# Altium PCB mother_board.PcbDoc (part 5 of 5)
Units mil, origin at the board's own origin, x right, y up, seen from the top; angles counter-clockwise.
Board outline 5337.7 x 2972.67 mil, 2 copper layers (Top Layer, Bottom Layer); 94 components, 123 nets, 375 pads, 276 vias.
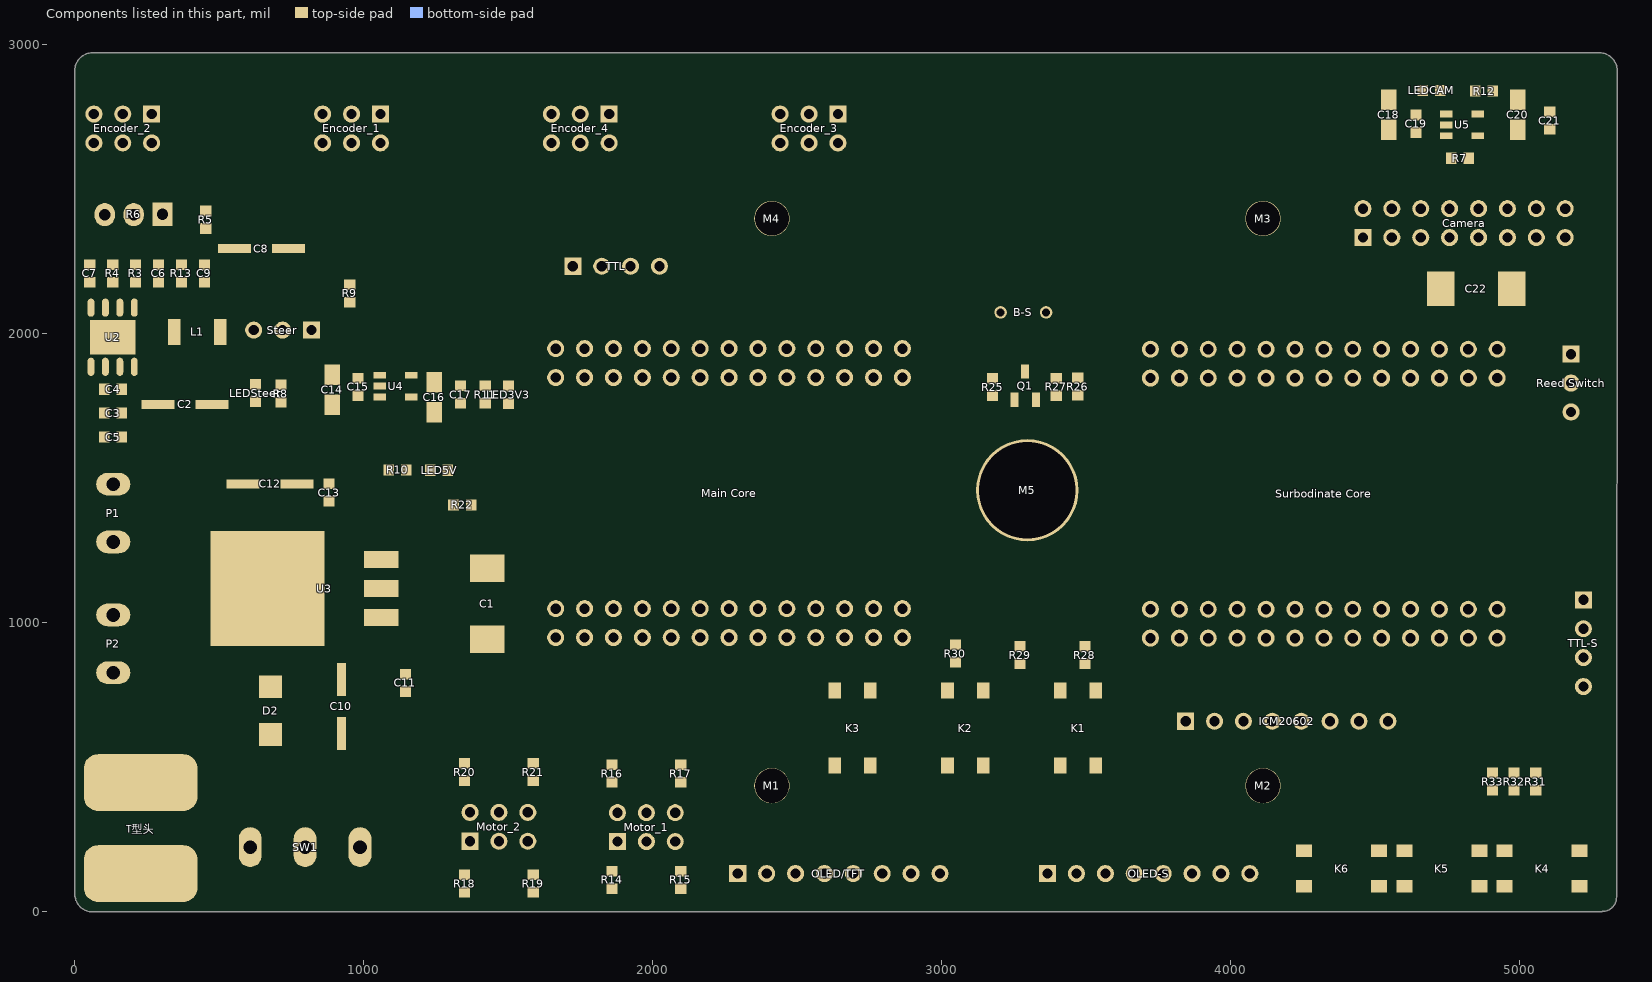
[diagram p5: the components of this part, seen from the top]

## Via types
v1: diameter 22, hole 12, Top Layer to Bottom Layer, tented both sides, 274 vias
v2: diameter 22, hole 12, Top Layer to Bottom Layer, 2 vias

## Nets (pads, with @x,y where several pads share a name; then routed paths per layer and width w, separated by ;. In a path a pad name is that pad's centre, name@x,y a point inside that pad or via, vN(x,y) a via of type N, cw(c..) or ccw(c..) an arc to the next point about the centre after c; other vN are vias at no path point) (continued)
copper on no net: (continued)
  Top Layer w1.05: 3888.5,2412.3 3901.1,2412.3 ; 3888.5,2413.35 3900.05,2413.35 ; 3888.5,2551.95 3894.8,2551.95 ; 3888.5,2603.4 3897.95,2603.4 ; 3888.5,2604.45 3896.9,2604.45 ; 3889.55,2410.2 3903.2,2410.2 ; 3889.55,2411.25 3902.15,2411.25 ; 3889.55,2553 3895.85,2553 ; 3889.55,2576.1 3896.9,2576.1 ; 3889.55,2605.5 3895.85,2605.5 ; 3890.6,2408.1 3905.3,2408.1 ; 3890.6,2409.15 3904.25,2409.15 ; 3890.6,2554.05 3896.9,2554.05 ; 3890.6,2606.55 3894.8,2606.55 ; 3891.65,2406 3907.4,2406 ; 3891.65,2407.05 3906.35,2407.05 ; 3891.65,2555.1 3897.95,2555.1 ; 3891.65,2607.6 3892.7,2607.6 ; 3892.7,2404.95 3909.5,2404.95 ; 3892.7,2556.15 3899,2556.15 ; 3892.7,2577.15 3897.95,2577.15 ; 3893.75,2402.85 3906.35,2402.85 ; 3893.75,2403.9 3910.55,2403.9 ; 3893.75,2557.2 3900.05,2557.2 ; 3893.75,2558.25 3901.1,2558.25 ; 3894.8,2401.8 3903.2,2401.8 ; 3894.8,2559.3 3901.1,2559.3 ; 3895.85,2400.75 3901.1,2400.75 ; 3895.85,2560.35 3902.15,2560.35 ; 3895.85,2561.4 3903.2,2561.4 ; 3896.9,2399.7 3900.05,2399.7 ; 3896.9,2562.45 3903.2,2562.45 ; 3896.9,2563.5 3904.25,2563.5 ; 3896.9,2578.2 3897.95,2578.2 ; 3897.95,2398.65 3899,2398.65 ; 3897.95,2564.55 3904.25,2564.55 ; 3897.95,2565.6 3905.3,2565.6 ; 3897.95,2566.65 3905.3,2566.65 ; 3899,2567.7 3906.35,2567.7 ; 3899,2568.75 3906.35,2568.75 ; 3899,2569.8 3906.35,2569.8 ; 3900.05,2570.85 3906.35,2570.85 ; 3900.05,2571.9 3907.4,2571.9 ; 3900.05,2572.95 3907.4,2572.95 ; 3900.05,2574 3907.4,2574 ; 3900.05,2575.05 3907.4,2575.05 ; 3900.05,2576.1 3907.4,2576.1 ; 3901.1,2577.15 3907.4,2577.15 ; 3901.1,2578.2 3907.4,2578.2 ; 3901.1,2579.25 3907.4,2579.25 ; 3901.1,2580.3 3908.45,2580.3 ; 3901.1,2581.35 3908.45,2581.35 ; 3901.1,2582.4 3908.45,2582.4 ; 3901.1,2583.45 3908.45,2583.45 ; 3901.1,2584.5 3908.45,2584.5 ; 3901.1,2585.55 3908.45,2585.55 ; 3901.1,2586.6 3908.45,2586.6 ; 3901.1,2587.65 3908.45,2587.65 ; 3901.1,2588.7 3908.45,2588.7 ; 3901.1,2589.75 3908.45,2589.75 ; 3901.1,2590.8 3908.45,2590.8 ; 3901.1,2591.85 3908.45,2591.85 ; 3901.1,2592.9 3908.45,2592.9 ; 3901.1,2593.95 3908.45,2593.95 ; 3901.1,2595 3908.45,2595 ; 3901.1,2596.05 3908.45,2596.05 ; 3901.1,2597.1 3908.45,2597.1 ; 3901.1,2612.85 3909.5,2612.85 ; 3901.1,2613.9 3909.5,2613.9 ; 3901.1,2614.95 3909.5,2614.95 ; 3901.1,2616 3909.5,2616 ; 3901.1,2617.05 3909.5,2617.05 ; 3901.1,2618.1 3909.5,2618.1 ; 3901.1,2619.15 3909.5,2619.15 ; 3901.1,2620.2 3909.5,2620.2 ; 3901.1,2621.25 3909.5,2621.25 ; 3901.1,2622.3 3909.5,2622.3 ; 3901.1,2623.35 3909.5,2623.35 ; 3901.1,2624.4 3909.5,2624.4 ; 3901.1,2625.45 3910.55,2625.45 ; 3901.1,2626.5 3911.6,2626.5 ; 3901.1,2627.55 3911.6,2627.55 ; 3901.1,2628.6 3910.55,2628.6 ; 3901.1,2629.65 3907.4,2629.65 ; 3901.1,2630.7 3903.2,2630.7 ; 3902.15,2598.15 3908.45,2598.15 ; 3902.15,2599.2 3908.45,2599.2 ; 3902.15,2600.25 3908.45,2600.25 ; 3902.15,2601.3 3908.45,2601.3 ; 3902.15,2602.35 3908.45,2602.35 ; 3902.15,2603.4 3909.5,2603.4 ; 3902.15,2604.45 3909.5,2604.45 ; 3902.15,2605.5 3909.5,2605.5 ; 3902.15,2606.55 3909.5,2606.55 ; 3902.15,2607.6 3909.5,2607.6 ; 3902.15,2608.65 3909.5,2608.65 ; 3902.15,2609.7 3909.5,2609.7 ; 3902.15,2610.75 3909.5,2610.75 ; 3902.15,2611.8 3909.5,2611.8 ; 3917.9,2559.3 3921.05,2559.3 ; 3917.9,2560.35 3923.15,2560.35 ; 3917.9,2561.4 3925.25,2561.4 ; 3917.9,2562.45 3925.25,2562.45 ; 3917.9,2563.5 3925.25,2563.5 ; 3917.9,2564.55 3925.25,2564.55 ; 3917.9,2565.6 3925.25,2565.6 ; 3917.9,2566.65 3925.25,2566.65 ; 3917.9,2567.7 3925.25,2567.7 ; 3917.9,2568.75 3925.25,2568.75 ; 3917.9,2569.8 3925.25,2569.8 ; 3917.9,2570.85 3925.25,2570.85 ; 3917.9,2571.9 3925.25,2571.9 ; 3917.9,2572.95 3925.25,2572.95 ; 3917.9,2574 3925.25,2574 ; 3917.9,2575.05 3925.25,2575.05 ; 3917.9,2576.1 3925.25,2576.1 ; 3917.9,2577.15 3925.25,2577.15 ; 3917.9,2578.2 3925.25,2578.2 ; 3917.9,2579.25 3925.25,2579.25 ; 3917.9,2580.3 3925.25,2580.3 ; 3917.9,2581.35 3925.25,2581.35 ; 3917.9,2582.4 3925.25,2582.4 ; 3917.9,2583.45 3925.25,2583.45 ; 3917.9,2584.5 3925.25,2584.5 ; 3917.9,2585.55 3925.25,2585.55 ; 3917.9,2586.6 3925.25,2586.6 ; 3917.9,2587.65 3925.25,2587.65 ; 3917.9,2588.7 3925.25,2588.7 ; 3917.9,2589.75 3925.25,2589.75 ; 3917.9,2590.8 3925.25,2590.8 ; 3917.9,2591.85 3925.25,2591.85 ; 3917.9,2592.9 3925.25,2592.9 ; 3917.9,2593.95 3925.25,2593.95 ; 3917.9,2595 3925.25,2595 ; 3917.9,2596.05 3925.25,2596.05 ; 3917.9,2597.1 3925.25,2597.1 ; 3917.9,2598.15 3925.25,2598.15 ; 3917.9,2599.2 3925.25,2599.2 ; 3917.9,2600.25 3925.25,2600.25 ; 3917.9,2601.3 3925.25,2601.3 ; 3917.9,2602.35 3925.25,2602.35 ; 3917.9,2603.4 3925.25,2603.4 ; 3917.9,2604.45 3925.25,2604.45 ; 3917.9,2605.5 3925.25,2605.5 ; 3917.9,2606.55 3925.25,2606.55 ; 3917.9,2607.6 3925.25,2607.6 ; 3917.9,2608.65 3925.25,2608.65 ; 3917.9,2609.7 3925.25,2609.7 ; 3917.9,2610.75 3925.25,2610.75 ; 3917.9,2611.8 3925.25,2611.8 ; 3917.9,2612.85 3925.25,2612.85 ; 3917.9,2613.9 3925.25,2613.9 ; 3917.9,2614.95 3925.25,2614.95 ; 3917.9,2616 3925.25,2616 ; 3917.9,2617.05 3926.3,2617.05 ; 3917.9,2618.1 3927.35,2618.1 ; 3917.9,2619.15 3927.35,2619.15 ; 3917.9,2620.2 3925.25,2620.2 ; 3917.9,2621.25 3923.15,2621.25 ; 3917.9,2622.3 3918.95,2622.3 ; 3934.7,2628.6 3945.2,2628.6 ; 3934.7,2629.65 3943.1,2629.65 ; 3934.7,2630.7 3939.95,2630.7 ; 3934.7,2631.75 3936.8,2631.75 ; 3935.75,2544.6 3938.9,2544.6 ; 3935.75,2545.65 3941,2545.65 ; 3935.75,2546.7 3943.1,2546.7 ; 3935.75,2547.75 3943.1,2547.75 ; 3935.75,2548.8 3943.1,2548.8 ; 3935.75,2549.85 3943.1,2549.85 ; 3935.75,2550.9 3943.1,2550.9 ; 3935.75,2551.95 3943.1,2551.95 ; 3935.75,2553 3943.1,2553 ; 3935.75,2554.05 3943.1,2554.05 ; 3935.75,2555.1 3943.1,2555.1 ; 3935.75,2556.15 3943.1,2556.15 ; 3935.75,2557.2 3943.1,2557.2 ; 3935.75,2558.25 3943.1,2558.25 ; 3935.75,2559.3 3943.1,2559.3 ; 3935.75,2560.35 3943.1,2560.35 ; 3935.75,2561.4 3943.1,2561.4 ; 3935.75,2562.45 3943.1,2562.45 ; 3935.75,2563.5 3943.1,2563.5 ; 3935.75,2564.55 3943.1,2564.55 ; 3935.75,2565.6 3943.1,2565.6 ; 3935.75,2566.65 3943.1,2566.65 ; 3935.75,2567.7 3943.1,2567.7 ; 3935.75,2568.75 3943.1,2568.75 ; 3935.75,2569.8 3943.1,2569.8 ; 3935.75,2570.85 3943.1,2570.85 ; 3935.75,2571.9 3943.1,2571.9 ; 3935.75,2572.95 3943.1,2572.95 ; 3935.75,2574 3943.1,2574 ; 3935.75,2575.05 3943.1,2575.05 ; 3935.75,2576.1 3943.1,2576.1 ; 3935.75,2577.15 3943.1,2577.15 ; 3935.75,2578.2 3943.1,2578.2 ; 3935.75,2579.25 3943.1,2579.25 ; 3935.75,2580.3 3943.1,2580.3 ; 3935.75,2581.35 3943.1,2581.35 ; 3935.75,2582.4 3943.1,2582.4 ; 3935.75,2583.45 3943.1,2583.45 ; 3935.75,2584.5 3943.1,2584.5 ; 3935.75,2585.55 3943.1,2585.55 ; 3935.75,2586.6 3943.1,2586.6 ; 3935.75,2587.65 3943.1,2587.65 ; 3935.75,2588.7 3943.1,2588.7 ; 3935.75,2589.75 3943.1,2589.75 ; 3935.75,2590.8 3943.1,2590.8 ; 3935.75,2591.85 3943.1,2591.85 ; 3935.75,2592.9 3943.1,2592.9 ; 3935.75,2593.95 3943.1,2593.95 ; 3935.75,2595 3943.1,2595 ; 3935.75,2596.05 3943.1,2596.05 ; 3935.75,2597.1 3943.1,2597.1 ; 3935.75,2598.15 3943.1,2598.15 ; 3935.75,2599.2 3943.1,2599.2 ; 3935.75,2600.25 3943.1,2600.25 ; 3935.75,2601.3 3943.1,2601.3 ; 3935.75,2602.35 3943.1,2602.35 ; 3935.75,2603.4 3943.1,2603.4 ; 3935.75,2604.45 3943.1,2604.45 ; 3935.75,2605.5 3943.1,2605.5 ; 3935.75,2606.55 3943.1,2606.55 ; 3935.75,2607.6 3943.1,2607.6 ; 3935.75,2608.65 3943.1,2608.65 ; 3935.75,2609.7 3943.1,2609.7 ; 3935.75,2610.75 3943.1,2610.75 ; 3935.75,2611.8 3943.1,2611.8 ; 3935.75,2612.85 3943.1,2612.85 ; 3935.75,2613.9 3943.1,2613.9 ; 3935.75,2614.95 3943.1,2614.95 ; 3935.75,2616 3943.1,2616 ; 3935.75,2617.05 3943.1,2617.05 ; 3935.75,2618.1 3943.1,2618.1 ; 3935.75,2619.15 3943.1,2619.15 ; 3935.75,2620.2 3943.1,2620.2 ; 3935.75,2621.25 3943.1,2621.25 ; 3935.75,2622.3 3943.1,2622.3 ; 3935.75,2623.35 3943.1,2623.35 ; 3935.75,2624.4 3943.1,2624.4 ; 3935.75,2625.45 3944.15,2625.45 ; 3935.75,2626.5 3945.2,2626.5 ; 3935.75,2627.55 3946.25,2627.55 ; 3962,2545.65 3966.2,2545.65 ; 3962,2546.7 3967.25,2546.7 ; 3962,2627.55 3967.25,2627.55 ; 3962,2628.6 3966.2,2628.6 ; 3963.05,2547.75 3968.3,2547.75 ; 3963.05,2548.8 3969.35,2548.8 ; 3963.05,2626.5 3968.3,2626.5 ; 3963.05,2629.65 3965.15,2629.65 ; 3964.1,2549.85 3970.4,2549.85 ; 3964.1,2625.45 3969.35,2625.45 ; 3965.15,2550.9 3971.45,2550.9 ; 3965.15,2623.35 3971.45,2623.35 ; 3965.15,2624.4 3970.4,2624.4 ; 3966.2,2551.95 3972.5,2551.95 ; 3966.2,2553 3973.55,2553 ; 3966.2,2622.3 3972.5,2622.3 ; 3967.25,2554.05 3973.55,2554.05 ; 3967.25,2555.1 3974.6,2555.1 ; 3967.25,2620.2 3973.55,2620.2 ; 3967.25,2621.25 3973.55,2621.25 ; 3968.3,2556.15 3975.65,2556.15 ; 3968.3,2619.15 3974.6,2619.15 ; 3969.35,2557.2 3976.7,2557.2 ; 3969.35,2558.25 3976.7,2558.25 ; 3969.35,2617.05 3976.7,2617.05 ; 3969.35,2618.1 3975.65,2618.1 ; 3970.4,2559.3 3977.75,2559.3 ; 3970.4,2560.35 3978.8,2560.35 ; 3970.4,2614.95 3977.75,2614.95 ; 3970.4,2616 3976.7,2616 ; 3971.45,2561.4 3978.8,2561.4 ; 3971.45,2562.45 3979.85,2562.45 ; 3971.45,2563.5 3979.85,2563.5 ; 3971.45,2611.8 3979.85,2611.8 ; 3971.45,2612.85 3978.8,2612.85 ; 3971.45,2613.9 3977.75,2613.9 ; 3972.5,2564.55 3980.9,2564.55 ; 3972.5,2565.6 3980.9,2565.6 ; 3972.5,2609.7 3980.9,2609.7 ; 3972.5,2610.75 3979.85,2610.75 ; 3973.55,2566.65 3981.95,2566.65 ; 3973.55,2567.7 3981.95,2567.7 ; 3973.55,2568.75 3981.95,2568.75 ; 3973.55,2606.55 3981.95,2606.55 ; 3973.55,2607.6 3981.95,2607.6 ; 3973.55,2608.65 3980.9,2608.65 ; 3974.6,2569.8 3983,2569.8 ; 3974.6,2570.85 3983,2570.85 ; 3974.6,2571.9 3983,2571.9 ; 3974.6,2572.95 3984.05,2572.95 ; 3974.6,2602.35 3984.05,2602.35 ; 3974.6,2603.4 3983,2603.4 ; 3974.6,2604.45 3983,2604.45 ; 3974.6,2605.5 3981.95,2605.5 ; 3975.65,2574 3984.05,2574 ; 3975.65,2575.05 3984.05,2575.05 ; 3975.65,2576.1 3985.1,2576.1 ; 3975.65,2577.15 3985.1,2577.15 ; 3975.65,2578.2 3985.1,2578.2 ; 3975.65,2579.25 3985.1,2579.25 ; 3975.65,2596.05 3985.1,2596.05 ; 3975.65,2597.1 3985.1,2597.1 ; 3975.65,2598.15 3985.1,2598.15 ; 3975.65,2599.2 3984.05,2599.2 ; 3975.65,2600.25 3984.05,2600.25 ; 3975.65,2601.3 3984.05,2601.3 ; 3976.7,2580.3 3985.1,2580.3 ; 3976.7,2581.35 3985.1,2581.35 ; 3976.7,2582.4 3985.1,2582.4 ; 3976.7,2583.45 3986.15,2583.45 ; 3976.7,2584.5 3986.15,2584.5 ; 3976.7,2585.55 3986.15,2585.55 ; 3976.7,2586.6 3986.15,2586.6 ; 3976.7,2587.65 3986.15,2587.65 ; 3976.7,2588.7 3986.15,2588.7 ; 3976.7,2589.75 3986.15,2589.75 ; 3976.7,2590.8 3986.15,2590.8 ; 3976.7,2591.85 3986.15,2591.85 ; 3976.7,2592.9 3985.1,2592.9 ; 3976.7,2593.95 3985.1,2593.95 ; 3976.7,2595 3985.1,2595
  other v1: 706.3,958.5 737.4,958.5 519.5,959.5 550.6,959.5 583.7,959.5 614.8,959.5 646,959.5 677.1,959.5 706.3,992.57 737.4,992.57 519.5,993.57 550.6,993.57 583.7,993.57 614.8,993.57 646,993.57 677.1,993.57 706.3,1026.63 737.4,1026.63 519.5,1027.63 550.6,1027.63 583.7,1027.63 614.8,1027.63 646,1027.63 677.1,1027.63 706.3,1060.7 737.4,1060.7 519.5,1061.7 550.6,1061.7 583.7,1061.7 614.8,1061.7 646,1061.7 677.1,1061.7 706.3,1094.77 737.4,1094.77 519.5,1095.77 550.6,1095.77 583.7,1095.77 614.8,1095.77 646,1095.77 677.1,1095.77 706.3,1128.83 737.4,1128.83 519.5,1129.83 550.6,1129.83 583.7,1129.83 614.8,1129.83 646,1129.83 677.1,1129.83 706.3,1162.9 737.4,1162.9 519.5,1163.9 550.6,1163.9 583.7,1163.9 614.8,1163.9 646,1163.9 677.1,1163.9 706.3,1196.97 737.4,1196.97 519.5,1197.97 550.6,1197.97 583.7,1197.97 614.8,1197.97 646,1197.97 677.1,1197.97 706.3,1231.03 737.4,1231.03 519.5,1232.03 550.6,1232.03 583.7,1232.03 614.8,1232.03 646,1232.03 677.1,1232.03 706.3,1265.1 737.4,1265.1 519.5,1266.1 550.6,1266.1 583.7,1266.1 614.8,1266.1 646,1266.1 677.1,1266.1

## Polygon pours and split planes (outlines as drawn)
GND5V on Top Layer "NONET_L01_P-001" (solid, remove dead copper, pour order 61): 3.7,2490.7 763.5,2492.6 823.1,2433 823.1,1735.2 1069.4,1488.9 1314.5,1488.9 1347.4,1456 1347.4,641.2 1419.7,568.9 2160.8,568.9 2213.4,516.3 2213.4,4.8 5281.8,4.8 5283.1,6.1 5284.1,6.1 ccw(c5284.1,52.8) 5330.8,52.8 5330.8,2913.5 ccw(c5276.9,2913.5) 5276.9,2967.4 58.8,2967.4 ccw(c58.8,2912.7) 4.1,2912.7
GNDBAT on Top Layer "NONET_L01_P-001" (solid, remove dead copper, pour order 60): 4.9,2472.3 759.7,2472.3 803.4,2428.6 803.4,1726.2 1062,1467.6 1310.76,1467.6 1330.76,1447.6 1328.5,1445.34 1328.5,633.2 1411.4,550.3 2152.1,550.3 2196.4,506 2196.4,5.7 2194.7,4 58.9,4 cw(c58.9,58.6) 4.3,58.6 4.3,61 ccw(c3.09,62.21) 4.8,62.21 4.8,2449.4
VCC5V on Top Layer "VCC5V_L01_P047" (solid, pour order 47): 853.1,1799.8 853.1,1565.3 850.6,1562.8 855.3,1558.1 904.8,1558.1 904.8,1693.9 961.3,1750.4 1041.3,1750.4 1053.1,1762.2 1076.5,1762.2 1076.5,1795.6 1072.3,1799.8 1014.1,1799.8 1001.8,1812.1 861.4,1812.1 851.4,1802.1
VCC5V on Top Layer "VCC5V_L01_P054" (solid, pour order 54): 1120.3,1264.8 1120.8,1264.3 1120.8,1175.1 1212.2,1175.1 1372.5,1014.8 1688,1014.8 1709.3,1036.1 1709.3,1091.3 1535.8,1264.8
VCC3V3 on Top Layer "VCC3V3_L01_P050" (solid, pour order 50): 1151.6,1893.1 1137,1878.5 1137,1831.5 1160.1,1808.4 1208,1808.4 1221,1795.4 1437.5,1795.4 1446.6,1804.5 1446.6,1838.6 1390.8,1894.4 1154.8,1894.4
GND5V on Top Layer "GND5V_L01_P051" (solid, pour order 51): 859,1888.3 859,1826.9 866.4,1819.5 1004.3,1819.5 1021.9,1837.1 1021.9,1911 995.7,1937.2 910.03,1937.2
GND5V on Top Layer "GND5V_L01_P049" (solid, pour order 49): 1214.4,1771 1200.8,1757.4 1200.8,1692.6 1228.8,1664.6 1277.4,1664.6 1359.3,1582.7 1359.3,1437.5 1491.6,1437.5 1413,1516.1 1413,1619.3 1364.7,1667.6 1364.7,1774 1355.5,1783.2 1231.7,1783.2
GND5V on Top Layer "GND5V_L01_P048" (solid, pour order 48): 1359.3,1447.8 1343.3,1431.8 1343.3,1377.4 1363.4,1357.3 1489,1357.3 1505.9,1374.2 1505.9,1423.2 1482.3,1446.8
VCC5V on Top Layer "VCC5V_L01_P046" (solid, pour order 46): 850.6,1506.4 850.6,1562.8 860.7,1572.9 890,1572.9 904.8,1558.1 904.8,1516.4
GNDBAT on Top Layer "GNDBAT_L01_P044" (solid, pour order 44): 854.5,1440.4 854.31,1395.98 872.32,1395.98 910.3,1358 1334.3,1358 1334.3,1447.6 860.1,1447.6
VCC5V on Top Layer "VCC5V_L01_P043" (solid, pour order 43): 996,1175.1 1120.8,1175.1 1144.2,1198.5 1144.2,1240.9 1120.3,1264.8 995.1,1264.8 833.6,1426.3 833.6,1441.8 842.7,1450.5 912.7,1450.5 923.2,1461 923.2,1498 904.8,1516.4 720.1,1516.4 703.2,1499.5 703.2,1457.8 705.9,1457.8 842.2,1321.5 867.9,1321.5 867.9,1284.4 911.8,1240.5
GNDBAT on Top Layer "GNDBAT_L01_P040" (solid, pour order 40): 507.3,1515.83 507.3,1433.1 549.5,1390.9 639.5,1390.9 670.7,1422.1 670.7,1530.3 659.2,1541.8 528.1,1541.8
GNDBAT on Top Layer "GNDBAT_L01_P039" (solid, pour order 39): 897,679.4 876.5,658.9 876.5,564.8 897,544.3 1054,544.3 1054,545 1077.2,568.2 1077.2,655.6 1106.4,655.6 1149.4,698.6 1251.4,698.6 1311.7,758.9 1311.7,974.3 1120.3,1165.7 957.7,1165.7 936.2,1144.2 936.2,1090.69 953.89,1073 1105.6,1073 1214.3,964.3 1214.3,812.6 1190.4,788.7 1109.6,788.7 1003,682.1 947.3,682.1
NetC10_1 on Top Layer "NETC10_1_L01_P008" (solid, pour order 8): 608.2,756.5 608.2,751.3 639.2,720.3 938.4,720.3 1015.9,797.8 1181.1,797.8 1201.7,818.4 1201.7,872.6 1137.2,937.1 1137.2,1025.2 1101.3,1061.1 1011.4,1061.1 974.6,1024.3 974.6,968 1076.55,868.75 1075.2,867.4 1057.2,867.4 634,867.4 610.8,844.2
VCCBAT on Top Layer "VCCBAT_L01_P005" (solid, pour order 5): 1049,335.3 718.3,666 455.8,666 231.3,890.5 231.3,1288.9 160.6,1359.6 54.6,1359.6 16,1321 16,715.4 179.9,551.5 378.6,541 410.7,508.9 410.7,371.6 808.1,371.6 923.7,256 923.7,76 1045.8,76 1049,79.2
NetSW1_2 on Top Layer "NETSW1_2_L01_P000" (solid, pour order 0): 86.6,300.8 11.3,225.5 11.3,65.3 64,12.6 790,12.6 857.7,80.3 857.7,301.4 838.8,320.3 106.1,320.3
GNDBAT on Bottom Layer "NONET_L01_P-001" (solid, remove dead copper, pour order 63): 4.9,2472.3 759.7,2472.3 803.4,2428.6 803.4,1726.2 1062,1467.6 1310.76,1467.6 1330.76,1447.6 1328.5,1445.34 1328.5,633.2 1411.4,550.3 2152.1,550.3 2196.4,506 2196.4,5.7 2194.7,4 58.9,4 cw(c58.9,58.6) 4.3,58.6 4.3,61 ccw(c3.09,62.21) 4.8,62.21 4.8,2449.4
GND5V on Bottom Layer "NONET_L01_P-001" (solid, remove dead copper, pour order 64): 3.7,2490.7 763.5,2492.6 823.1,2433 823.1,1735.2 1069.4,1488.9 1314.5,1488.9 1335,1468.4 1335,653.6 1419.7,568.9 2160.8,568.9 2213.4,516.3 2213.4,4.8 5281.8,4.8 5283.1,6.1 5284.1,6.1 ccw(c5284.1,52.8) 5330.8,52.8 5330.8,2913.5 ccw(c5276.9,2913.5) 5276.9,2967.4 58.8,2967.4 ccw(c58.8,2912.7) 4.1,2912.7
GND5V on Bottom Layer "GND5V_L02_P053" (solid, pour order 53): 1280.6,1647.5 1347.3,1647.5 1365,1665.2 1365,1706.6 1342.4,1729.2 1342,1728.8 1197.5,1728.8 985,1941.3 936.9,1941.3 921,1925.4 921,1870.2 1062,1729.2 1118.9,1729.2 1198.8,1649.3 1215.2,1649.3
GNDBAT on Bottom Layer "GNDBAT_L02_P045" (solid, pour order 45): 672.4,1454.6 951.6,1454.6 971.7,1434.5 971.7,1360.6 969.4,1358.3 913.5,1358.3 877.7,1394.1 724.7,1394.1
GNDBAT on Bottom Layer "GNDBAT_L02_P041" (solid, pour order 41): 956.4,1074.9 985.4,1074.9 986.9,1073.4 1005.4,1091.9 1005.4,1159.7 928.7,1236.4 890.6,1236.4 672.4,1454.6 518.5,1454.6 512.8,1448.9 512.8,1393.3 554.4,1351.7 677.4,1351.7 783,1246.1
GNDBAT on Bottom Layer "GNDBAT_L02_P022" (solid, pour order 22): 294.7,1476.6 660.5,1842.4 660.5,2283.3 466,2477.8 38.4,2477.8 15.2,2454.6 15.2,1518.8 15.2,1502
GNDBAT on Bottom Layer "GNDBAT_L02_P023" (solid, pour order 23): 808,322.2 808.1,322.1 1133,322.1 1276,179.1 2136.8,179.1 2159.6,201.9 2159.6,388.4 2128.5,419.5 1265.1,419.5 1085.2,599.4
GNDBAT on Bottom Layer "GNDBAT_L02_P011" (solid, pour order 11): 423.9,322.2 808,322.2 1085.2,599.4 1085.2,682.1 1082.9,682.1 1064.8,700.2 615.5,700.2 483.2,567.9
GNDBAT on Bottom Layer "GNDBAT_L02_P006" (solid, pour order 6): 66,1552.8 15.2,1502 15.2,373 66,322.2 423.9,322.2 483.2,381.5 483.2,567.9 294.7,756.4 294.7,1476.6 214.3,1557

## Other copper
Top Layer:
  pour cut-out: 3840.63,1780.3 3840.63,1769.37 3845,1765 3866.42,1786.42 3868.34,1786.42 3868.34,1799.8 3865.52,1802.62 3865.52,1805.19
  pour cut-out: 2980,2645 2980,2445 3050,2375 3980,2375 4040,2435 4040,2645 3995,2690 3035,2690
  pour cut-out: 3790,625 3900,625 3900,683.71 3893.25,690.47 3792.07,690.47
  pour cut-out: 3792.07,690.47 3893.08,690.47 4065.92,863.31 4065.92,873.39 4060.92,878.39 4057.54,875 3976.61,875 3884.61,783
  pour cut-out: 1049.5,1515.34 1049.5,1512.63 1047.58,1510.72 1069.4,1488.9 1277.25,1488.9 1277.25,1502.81 1206.08,1502.81 1206.08,1519.92 1171.62,1519.92 1171.62,1503.81 1123.01,1503.81 1123.01,1554.39 1110.99,1554.39 1110.99,1503.81 1062.38,1503.81 1062.38,1515.34
  pour cut-out: 1254.69,1553.39 1254.69,1502.81 1266.71,1502.81 1266.71,1553.39
  pour cut-out: 866.4,1819.5 866.4,1828.43 832.01,1862.82 832.01,1733.4 841.99,1723.42 843.9,1725.34 846.61,1725.34 846.61,1801.44 844.98,1803.06
  pour cut-out: 2174.48,89.99 2194.99,89.99 2196.4,91.4 2196.4,487.29 2193.69,487.29 2191.78,489.2 2175.18,472.6
  pour cut-out: 4359.5,2923.3 4334.7,2898.5 4334.7,2335.5 4415.3,2254.9 4424.6,2264.2 5207.8,2264.2 5229.5,2285.9 5229.5,2808.5 5086.8,2951.2 4396.7,2951.2
Bottom Layer:
  pour cut-out: 5306.63,1989.7 5329.7,1989.7 5330.8,1990.8 5330.8,2821.73 5327.5,2821.73 5325.8,2823.43 5318.33,2815.95 5318.31,2815.95 5318.31,2038.59 5310.66,2030.94
  pour cut-out: 650,2470 700,2470 705,2465 655,2465
  pour cut-out: 4562.01,2772.99 4606,2729 4791.3,2729 4791.3,2659.8 4791.3,2555.9 4722.1,2486.7 4426.9,2486.7 4426.9,2294.4 4446.6,2283.1 4456.4,2283.1 5217.8,2283.1 5217.8,2778.9 5108.5,2888.2 4725.88,2888.2 4613.09,2865.1

## Silkscreen, mask and mechanical layers (free items; w line width, h text height)
Top Overlay:
  lines w3: 1105.3,293.8 1317.5,293.8 ; 1615.7,292.6 1827.9,292.6
  lines w9: 1317.4,393.1 1116.7,393.1 1105.3,393.1 1105.3,194.5 1105.2,194.4 1318.5,194.4 ; 1827.8,391.9 1627.1,391.9 1615.7,391.9 1615.7,193.3 1615.6,193.2 1828.9,193.2
  lines w10: 668.3,2109.5 653.9,2123.9 ; 668.3,2138.3 653.9,2123.9 ; 924.4,2414.8 924.4,2223.45 824.85,2123.9 653.6,2123.9 653.9,2123.9
  text "GND" at 1125.3,2746.9 h30
  text "GND" at 2705.9,2746.9 h30
  text "GND" at 1913.8,2743.2 h30
  text "GND" at 335,2742.3 h30
  text "VCC" at 1125.3,2650.5 h30
  text "VCC" at 2705.9,2650.5 h30
  text "VCC" at 1913.8,2646.8 h30
  text "VCC" at 335,2645.9 h30
  text "B12" at 2401,2568.4 h30
  text "C9" at 828.6,2567.6 h30
  text "C8" at 35,2565 h30
  text "A8" at 1623.8,2565.1 h30
  text "VCC" at 5130,2495 h30
  text "GND" at 5024.2,2493.3 h30
  text "GND" at 585,1920 h30
  text "VCC" at 5036.6,1910.5 h30
  text "GND" at 5035.2,1805.6 h30
  text "SB4" at 5035,1705 h30
  text "-" at 382.29,1467.8 h45 r90
  text "+" at 385.3,1257 h45 r90
  text "VCC" at 5078.8,1065.3 h30
  text "-" at 382.29,1015.1 h45 r90
  text "GND" at 5080.9,968.8 h30
  text "A10" at 5081.6,860.3 h30
  text "+" at 385.3,804.3 h45 r90
  text "A9" at 5104.9,761.7 h30
  text "VCC" at 3803.3,563.4 h30
  text "-" at 492.79,438.6 h45 r90
  text "(B1)" at 3038.4,381.3 h30
  text "(B0)" at 3427.6,378.5 h30
  text "(B2)" at 2644.6,371.1 h30
  text "B9" at 1121.5,349.6 h30
  text "B3" at 1752.9,349.7 h30
  text "B5" at 1228.1,349 h30
  text "B7" at 1631.9,348.4 h30
  text "GND" at 1215.8,302.2 h30 r90
  text "GND" at 1726.9,301.7 h30 r90
  text "(SB8)" at 4672.4,262.9 h30
  text "(SB2)" at 5014.6,262.9 h30
  text "(SB12)" at 4310.1,253.2 h30
  text "B8" at 1124.4,211.7 h30
  text "B4" at 1233.5,211.3 h30
  text "B6" at 1634.8,210.5 h30
  text "A15" at 1743.9,210.1 h30
  text "GND" at 1217.3,206.1 h30 r90
  text "GND" at 1726.9,204.5 h30 r90
  text "+" at 507.4,108.2 h45 r90
  text "GND" at 2252.2,37.9 h30
  text "GND" at 3325,27.2 h30
Top Solder:
  drawing of 3368 lines, arcs and shapes, not listed
Mechanical 1:
  lines w9: 5335.82,50.2 5337.7,2912.3
  lines w10: 5277.7,2972.3 cw(c5277.7,2912.3) 5337.7,2912.3 ; 5277.7,2972.35 60,2972.35 ccw(c60,2912.35) 0,2912.35 0,59.68 ccw(c60.16,59.84) 60.32,-0.32 5285.82,-0.32 ; 5285.82,0.75 ccw(c5286.09,50.47) 5335.82,50.2
Mechanical 15:
  lines w20: -3.6,2482.49 761.1,2482.49 762.45,2482.49 812.54,2432.4 812.54,1732.86 1067.1,1478.3 1310.7,1478.3 1338.1,1450.9 1338.1,636.6 1414.4,560.3 2156,560.3 2204.4,511.9 2204.4,2.7

## Text inside footprints (layer, text, board x,y; h text height)
C2: Top Overlay "-" at 466.3,1691.42 h39.37; Top Overlay "+" at 276.3,1694.54 h39.37
C8: Top Overlay "+" at 750.6,2356.86 h39.37 r180; Top Overlay "-" at 560.6,2359.98 h39.37 r180
C10: Top Overlay "-" at 857.42,625.9 h39.37 r270; Top Overlay "+" at 860.54,815.9 h39.37 r270
C12: Top Overlay "+" at 780.3,1542.46 h39.37 r180; Top Overlay "-" at 590.3,1545.58 h39.37 r180